# KiCad board chastity.kicad_pcb (continued)
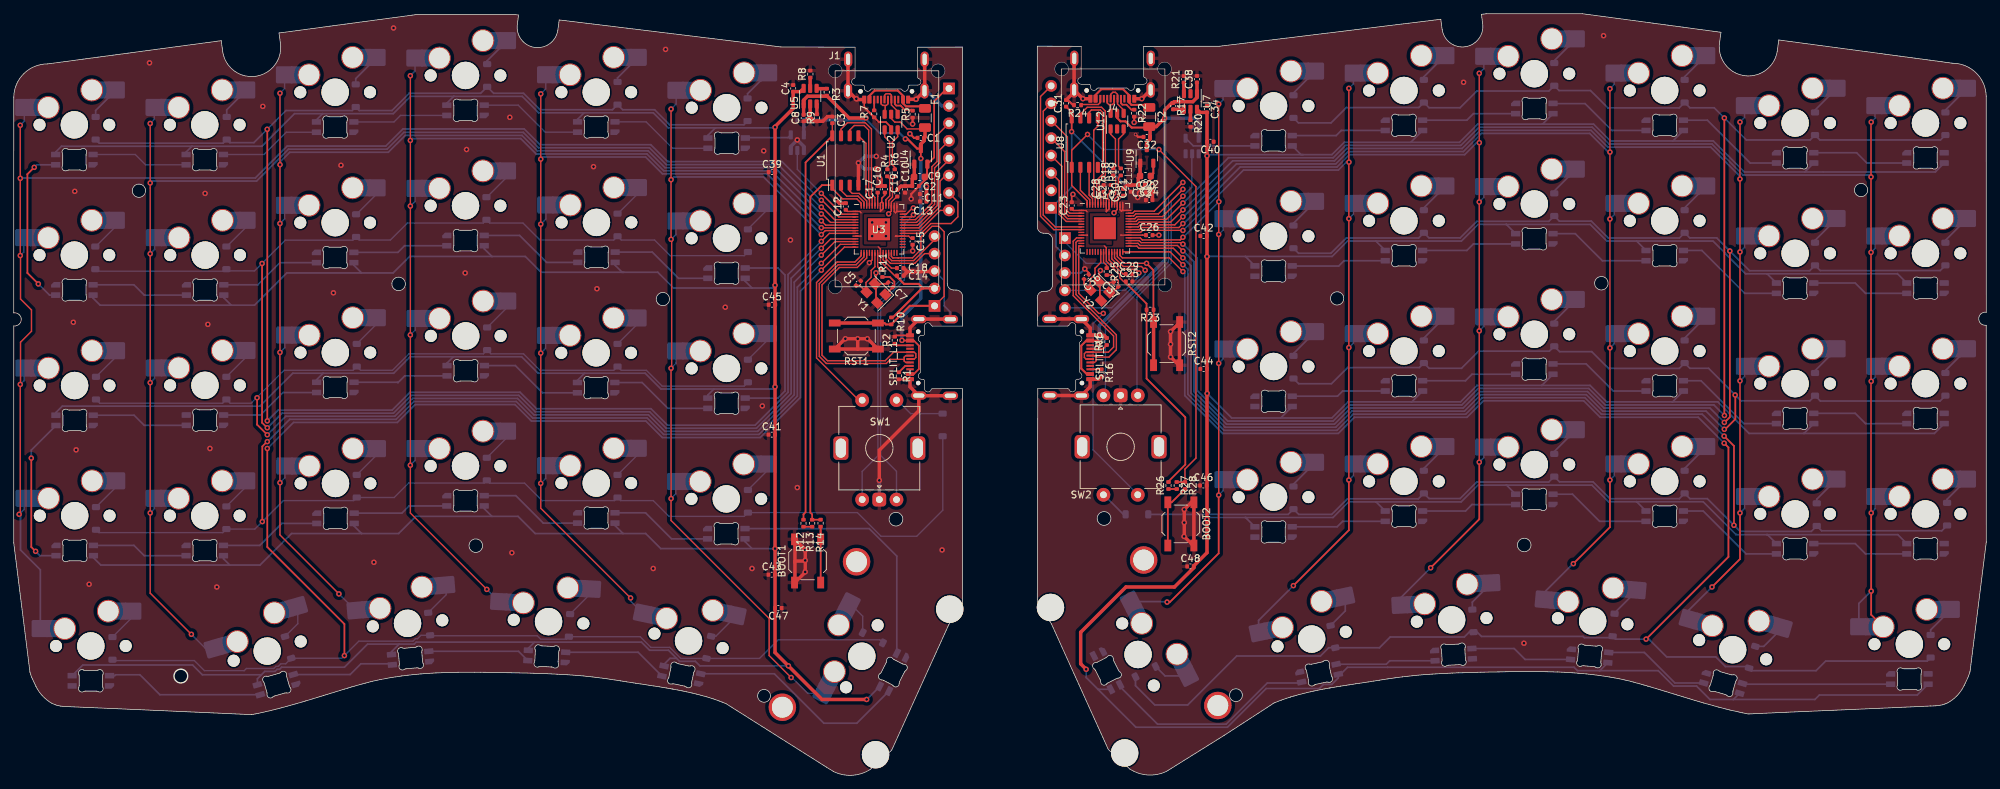
[diagram p0: board, top side]
## Nets
+1V1: C17.1 C18.1 C19.1 C28.1 C29.1 C30.1 U3.23 U3.45 U3.50 U10.23 U10.45 U10.50
+3V3: C2.1 C3.1 C9.1 C10.1 C11.1 C12.1 C13.1 C14.1 C15.1 C16.1 C20.1 C21.1 C22.1 C23.1 C24.1 C25.1 C26.1 C27.1 C31.1 C33.1 J2.2 J3.1 J5.2 J6.1 R10.2 R12.2 R23.2 R26.2 U1.8 U3.1 U3.10 U3.22 U3.33 U3.42 U3.43 U3.44 U3.48 U3.49 U4.2 U8.8 U9.2 U10.1 U10.10 U10.22 U10.33 U10.42 U10.43 U10.44 U10.48 U10.49
GND: BOOT1.1 BOOT2.1 C1.2 C2.2 C3.2 C4.1 C5.1 C6.1 C7.2 C8.2 C9.2 C10.2 C11.2 C12.2 C13.2 C14.2 C15.2 C16.2 C17.2 C18.2 C19.2 C20.2 C21.2 C22.2 C23.2 C24.2 C25.2 C26.2 C27.2 C28.2 C29.2 C30.2 C31.2 C32.2 C33.2 C34.1 C35.1 C36.1 C37.2 C38.2 C39.1 C40.1 C41.1 C42.1 C43.1 C44.1 C45.1 C46.1 C47.1 C48.1 J1.A1 J1.A12 J1.B1 J1.B12 J1.S1 J2.3 J3.2 J4.A1 J4.A12 J4.B1 J4.B12 J4.S1 J5.3 J6.2 LED1.4 LED2.4 LED3.4 LED4.4 LED5.4 LED6.4 LED7.4 LED8.4 LED9.4 LED10.4 LED11.4 LED12.4 LED13.4 LED14.4 LED15.4 LED16.4 LED17.4 LED18.4 LED19.4 LED20.4 LED21.4 LED22.4 LED23.4 LED24.4 LED25.4 LED26.4 LED27.4 LED28.4 LED29.4 LED30.4 LED31.4 LED32.4 LED33.4 LED34.4 LED35.4 LED36.4 LED37.4 LED38.4 LED39.4 LED40.4 LED41.4 LED42.4 LED43.4 LED44.4 LED45.4 LED46.4 LED47.4 LED48.4 LED49.4 LED50.4 LED51.4 LED52.4 LED53.4 LED54.4 LED55.4 LED56.4 LED57.4 LED58.4 LED59.4 LED60.4 R1.2 R2.2 R5.2 R7.2 R8.2 R9.2 R15.2 R16.2 R20.2 R21.2 R22.2 R24.2 RST1.2 RST2.1 SPLIT_L1.A1 SPLIT_L1.A12 SPLIT_L1.B1 SPLIT_L1.B12 SPLIT_L1.S1 SPLIT_R1.A1 SPLIT_R1.A12 SPLIT_R1.B1 SPLIT_R1.B12 SPLIT_R1.S1 SW1.C SW2.C U1.4 U2.2 U3.19 U3.57 U4.1 U5.2 U6.1 U6.3 U7.2 U8.4 U9.1 U10.19 U10.57 U11.1 U11.3 U12.2 Y1.2 Y1.4 Y2.2 Y2.4
VBUS: F1.1 F2.1 J1.A4 J1.A9 J1.B4 J1.B9 J4.A4 J4.A9 J4.B4 J4.B9
bl: J6.8 U10.8
bl_L: J3.8 U3.35
clk: J6.4 U10.4
clk_L: J3.4 U3.38
col 0: SW2.S2 U10.14
col 0_L: SW1.S2 U3.15
col 1: MX31.1 MX37.1 MX43.1 MX49.1 MX55.1 U10.32
col 1_L: MX6.1 MX12.1 MX18.1 MX24.1 MX30.1 U3.8
col 2: MX32.1 MX38.1 MX44.1 MX50.1 MX56.1 U10.34
col 2_L: MX5.1 MX11.1 MX17.1 MX23.1 MX29.1 U3.7
col 3: MX33.1 MX39.1 MX45.1 MX51.1 MX57.1 U10.35
col 3_L: MX4.1 MX10.1 MX16.1 MX22.1 MX28.1 U3.6
col 4: MX34.1 MX40.1 MX46.1 MX52.1 MX58.1 U10.36
col 4_L: MX3.1 MX9.1 MX15.1 MX21.1 MX27.1 U3.5
col 5: MX35.1 MX41.1 MX47.1 MX53.1 MX59.1 U10.37
col 5_L: MX2.1 MX8.1 MX14.1 MX20.1 MX26.1 U3.4
col 6: MX36.1 MX42.1 MX48.1 MX54.1 MX60.1 U10.38
col 6_L: MX1.1 MX7.1 MX13.1 MX19.1 MX25.1 U3.3
cs: J6.5 U10.3
cs_L: J3.5 U3.37
CURR_LIM: R20.1 U7.5
CURR_LIM_L: R8.1 U5.5
D+: R18.2 U12.1
D-: R19.2 U12.3
D_Split_L+: SPLIT_L1.A6 SPLIT_L1.B6 U3.17
D_Split_L-: SPLIT_L1.A7 SPLIT_L1.B7 U3.16
D_Split_R+: SPLIT_R1.A6 SPLIT_R1.B6 U10.12
D_Split_R-: SPLIT_R1.A7 SPLIT_R1.B7 U10.11
D_USB+: J4.A6 J4.B6 U12.6
D_USB-: J4.A7 J4.B7 U12.4
dc: J6.6 U10.2
dc_L: J3.6 U3.36
DIN: J6.3 U10.5
DIN_L: J3.3 U3.39
DL+: R4.2 U2.1
DL-: R6.2 U2.3
DL_USB+: J1.A6 J1.B6 U2.6
DL_USB-: J1.A7 J1.B7 U2.4
LED_Data_3V3: U10.39 U11.2
LED_Data_3V3_L: U3.2 U6.2
LED_Data_5V: LED31.3 U11.4
LED_Data_5V_L: LED6.3 U6.4
LED_Pow_5V: C34.2 C40.2 C42.2 C44.2 C46.2 C48.2 LED31.1 LED32.1 LED33.1 LED34.1 LED35.1 LED36.1 LED37.1 LED38.1 LED39.1 LED40.1 LED41.1 LED42.1 LED43.1 LED44.1 LED45.1 LED46.1 LED47.1 LED48.1 LED49.1 LED50.1 LED51.1 LED52.1 LED53.1 LED54.1 LED55.1 LED56.1 LED57.1 LED58.1 LED59.1 LED60.1 U7.6
LED_Pow_5V_L: C4.2 C39.2 C41.2 C43.2 C45.2 C47.2 LED1.1 LED2.1 LED3.1 LED4.1 LED5.1 LED6.1 LED7.1 LED8.1 LED9.1 LED10.1 LED11.1 LED12.1 LED13.1 LED14.1 LED15.1 LED16.1 LED17.1 LED18.1 LED19.1 LED20.1 LED21.1 LED22.1 LED23.1 LED24.1 LED25.1 LED26.1 LED27.1 LED28.1 LED29.1 LED30.1 U5.6
Q_CLK: U8.6 U10.52
Q_CLK_L: U1.6 U3.52
Q_IO0: U8.5 U10.53
Q_IO0_L: U1.5 U3.53
Q_IO1: U8.2 U10.55
Q_IO1_L: U1.2 U3.55
Q_IO2: U8.3 U10.54
Q_IO2_L: U1.3 U3.54
Q_IO3: U8.7 U10.51
Q_IO3_L: U1.7 U3.51
Q_SEL: R27.1 R28.1 U8.1 U10.56
Q_SEL_L: R13.1 R14.1 U1.1 U3.56
RESET: J5.1 R23.1 RST2.2 U10.26
RESET_L: J2.1 R10.1 RST1.1 U3.26
rot A: SW2.A U10.40
rot A_L: SW1.A U3.41
rot B: SW2.B U10.41
rot B_L: SW1.B U3.40
row 0: D31.1 D32.1 D33.1 D34.1 D35.1 D36.1 U10.31
row 0_L: D1.1 D2.1 D3.1 D4.1 D5.1 D6.1 U3.9
row 1: D37.1 D38.1 D39.1 D40.1 D41.1 D42.1 U10.30
row 1_L: D7.1 D8.1 D9.1 D10.1 D11.1 D12.1 U3.11
row 2: D43.1 D44.1 D45.1 D46.1 D47.1 D48.1 U10.29
row 2_L: D13.1 D14.1 D15.1 D16.1 D17.1 D18.1 U3.12
row 3: D49.1 D50.1 D51.1 D52.1 D53.1 D54.1 D62.1 U10.28
row 3_L: D19.1 D20.1 D21.1 D22.1 D23.1 D24.1 D61.1 U3.13
row 4: D55.1 D56.1 D57.1 D58.1 D59.1 D60.1 U10.27
row 4_L: D25.1 D26.1 D27.1 D28.1 D29.1 D30.1 U3.14
rst: J6.7 U10.7
rst_L: J3.7 U3.34
SK6803_EN: R21.1 U7.3
SK6803_EN_L: R9.1 U5.3
SK6803_NFAULT: R17.2 U7.4
SK6803_NFAULT_L: R3.1 U5.4
Split_5v5_L: C1.1 C6.2 C8.1 C32.1 C35.2 C38.1 F1.2 F2.2 R3.2 R17.1 SPLIT_L1.A4 SPLIT_L1.A9 SPLIT_L1.B4 SPLIT_L1.B9 SPLIT_R1.A4 SPLIT_R1.A9 SPLIT_R1.B4 SPLIT_R1.B9 U2.5 U4.3 U5.1 U6.5 U7.1 U9.3 U11.5 U12.5
SWC: J5.4 U10.24
SWC_L: J2.4 U3.24
SWD: J5.5 U10.25
SWD_L: J2.5 U3.25
XIN: C36.2 U10.20 Y2.3
XIN_L: C5.2 U3.20 Y1.3
XOUT: R25.1 U10.21
XOUT_L: R11.1 U3.21
Net-(BOOT1-Pad2): BOOT1.2 R14.2
Net-(BOOT2-Pad2): BOOT2.2 R28.2
Net-(C7-Pad1): C7.1 R11.2 Y1.1
Net-(C37-Pad1): C37.1 R25.2 Y2.1
Net-(D1-A): D1.2 MX1.2
Net-(D2-A): D2.2 MX2.2
Net-(D3-A): D3.2 MX3.2
Net-(D4-A): D4.2 MX4.2
Net-(D5-A): D5.2 MX5.2
Net-(D6-A): D6.2 MX6.2
Net-(D7-A): D7.2 MX7.2
Net-(D8-A): D8.2 MX8.2
Net-(D9-A): D9.2 MX9.2
Net-(D10-A): D10.2 MX10.2
Net-(D11-A): D11.2 MX11.2
Net-(D12-A): D12.2 MX12.2
Net-(D13-A): D13.2 MX13.2
Net-(D14-A): D14.2 MX14.2
Net-(D15-A): D15.2 MX15.2
Net-(D16-A): D16.2 MX16.2
Net-(D17-A): D17.2 MX17.2
Net-(D18-A): D18.2 MX18.2
Net-(D19-A): D19.2 MX19.2
Net-(D20-A): D20.2 MX20.2
Net-(D21-A): D21.2 MX21.2
Net-(D22-A): D22.2 MX22.2
Net-(D23-A): D23.2 MX23.2
Net-(D24-A): D24.2 MX24.2
Net-(D25-A): D25.2 MX25.2
Net-(D26-A): D26.2 MX26.2
Net-(D27-A): D27.2 MX27.2
Net-(D28-A): D28.2 MX28.2
Net-(D29-A): D29.2 MX29.2
Net-(D30-A): D30.2 MX30.2
Net-(D31-A): D31.2 MX31.2
Net-(D32-A): D32.2 MX32.2
Net-(D33-A): D33.2 MX33.2
Net-(D34-A): D34.2 MX34.2
Net-(D35-A): D35.2 MX35.2
Net-(D36-A): D36.2 MX36.2
Net-(D37-A): D37.2 MX37.2
Net-(D38-A): D38.2 MX38.2
Net-(D39-A): D39.2 MX39.2
Net-(D40-A): D40.2 MX40.2
Net-(D41-A): D41.2 MX41.2
Net-(D42-A): D42.2 MX42.2
Net-(D43-A): D43.2 MX43.2
Net-(D44-A): D44.2 MX44.2
Net-(D45-A): D45.2 MX45.2
Net-(D46-A): D46.2 MX46.2
Net-(D47-A): D47.2 MX47.2
Net-(D48-A): D48.2 MX48.2
Net-(D49-A): D49.2 MX49.2
Net-(D50-A): D50.2 MX50.2
Net-(D51-A): D51.2 MX51.2
Net-(D52-A): D52.2 MX52.2
Net-(D53-A): D53.2 MX53.2
Net-(D54-A): D54.2 MX54.2
Net-(D55-A): D55.2 MX55.2
Net-(D56-A): D56.2 MX56.2
Net-(D57-A): D57.2 MX57.2
Net-(D58-A): D58.2 MX58.2
Net-(D59-A): D59.2 MX59.2
Net-(D60-A): D60.2 MX60.2
Net-(D61-A): D61.2 SW1.S1
Net-(D62-A): D62.2 SW2.S1
Net-(J1-CC1): J1.A5 R5.1
Net-(J1-CC2): J1.B5 R7.1
Net-(J4-CC1): J4.A5 R22.1
Net-(J4-CC2): J4.B5 R24.1
Net-(LED1-DIN): LED1.3 LED2.2
Net-(LED1-DOUT): LED1.2 LED7.3
Net-(LED2-DIN): LED2.3 LED3.2
Net-(LED3-DIN): LED3.3 LED4.2
Net-(LED4-DIN): LED4.3 LED5.2
Net-(LED5-DIN): LED5.3 LED6.2
Net-(LED7-DOUT): LED7.2 LED8.3
Net-(LED8-DOUT): LED8.2 LED9.3
Net-(LED10-DIN): LED9.2 LED10.3
Net-(LED10-DOUT): LED10.2 LED11.3
Net-(LED11-DOUT): LED11.2 LED12.3
Net-(LED12-DOUT): LED12.2 LED18.3
Net-(LED13-DIN): LED13.3 LED14.2
Net-(LED13-DOUT): LED13.2 LED19.3
Net-(LED14-DIN): LED14.3 LED15.2
Net-(LED15-DIN): LED15.3 LED16.2
Net-(LED16-DIN): LED16.3 LED17.2
Net-(LED17-DIN): LED17.3 LED18.2
Net-(LED19-DOUT): LED19.2 LED20.3
Net-(LED20-DOUT): LED20.2 LED21.3
Net-(LED21-DOUT): LED21.2 LED22.3
Net-(LED22-DOUT): LED22.2 LED23.3
Net-(LED23-DOUT): LED23.2 LED24.3
Net-(LED24-DOUT): LED24.2 LED30.3
Net-(LED25-DIN): LED25.3 LED26.2
Net-(LED26-DIN): LED26.3 LED27.2
Net-(LED27-DIN): LED27.3 LED28.2
Net-(LED28-DIN): LED28.3 LED29.2
Net-(LED29-DIN): LED29.3 LED30.2
Net-(LED31-DOUT): LED31.2 LED32.3
Net-(LED32-DOUT): LED32.2 LED33.3
Net-(LED33-DOUT): LED33.2 LED34.3
Net-(LED34-DOUT): LED34.2 LED35.3
Net-(LED35-DOUT): LED35.2 LED36.3
Net-(LED36-DOUT): LED36.2 LED42.3
Net-(LED37-DIN): LED37.3 LED38.2
Net-(LED37-DOUT): LED37.2 LED43.3
Net-(LED38-DIN): LED38.3 LED39.2
Net-(LED39-DIN): LED39.3 LED40.2
Net-(LED40-DIN): LED40.3 LED41.2
Net-(LED41-DIN): LED41.3 LED42.2
Net-(LED43-DOUT): LED43.2 LED44.3
Net-(LED44-DOUT): LED44.2 LED45.3
Net-(LED45-DOUT): LED45.2 LED46.3
Net-(LED46-DOUT): LED46.2 LED47.3
Net-(LED47-DOUT): LED47.2 LED48.3
Net-(LED48-DOUT): LED48.2 LED54.3
Net-(LED49-DIN): LED49.3 LED50.2
Net-(LED49-DOUT): LED49.2 LED55.3
Net-(LED50-DIN): LED50.3 LED51.2
Net-(LED51-DIN): LED51.3 LED52.2
Net-(LED52-DIN): LED52.3 LED53.2
Net-(LED53-DIN): LED53.3 LED54.2
Net-(LED55-DOUT): LED55.2 LED56.3
Net-(LED56-DOUT): LED56.2 LED57.3
Net-(LED57-DOUT): LED57.2 LED58.3
Net-(LED58-DOUT): LED58.2 LED59.3
Net-(LED59-DOUT): LED59.2 LED60.3
Net-(R12-Pad1): R12.1 R13.2
Net-(R26-Pad1): R26.1 R27.2
Net-(SPLIT_L1-CC1): R1.1 SPLIT_L1.A5
Net-(SPLIT_L1-CC2): R2.1 SPLIT_L1.B5
Net-(SPLIT_R1-CC1): R15.1 SPLIT_R1.A5
Net-(SPLIT_R1-CC2): R16.1 SPLIT_R1.B5
Net-(U3-USB_DM): R6.1 U3.46
Net-(U3-USB_DP): R4.1 U3.47
Net-(U10-USB_DM): R19.1 U10.46
Net-(U10-USB_DP): R18.1 U10.47

Pads without a net: J1 A8 B8; J4 A8 B8; LED25 2; LED60 2; SPLIT_L1 A8 B8; SPLIT_R1 A8 B8; SW1 MP; SW2 MP; U3 18 27 28 29 30 31 32; U10 6 9 13 15 16 17 18

## Via types
v1: diameter 0.8, hole 0.4, Top to Bottom, 224 vias
v2: diameter 0.5, hole 0.3, Top to Bottom, 1 via

## Routing (per net, layer and track width the routed paths; a pad name or vN(x,y) marks a point on that pad's centre or on a via; arc(x,y) is an arc through that point)
+1V1: length 18.6
  Top w0.2: v1(127.49,81.89) 127.9,82.3 U3.45 ; U10.23 159.61,75.15 161.65,73.11 C29.1 ; U3.45 127.9,83.61 128.7,84.41 C19.1 ; U3.45 127.9,82.44 ; U10.50 158.81,85.11 C28.1 ; C17.1 125.9,84.44 125.9,84.44 U3.50 ; C30.1 161.61,84.55 160.81,83.75 U10.45 160.81,82.52 v1(160.34,82.04) ; U3.23 126.7,75.17 127.89,73.97 C18.1
+3V3: length 209.1
  Top w0.2: C15.1 130.71,78.35 130.42,78.64 U3.33 128.5,78.64 128.5,78.64 128.7,78.64 ; 161.34,78.78 U10.33 164.52,78.78 164.52,78.78 C26.1 ; 128.7,82.24 128.7,82.24 U3.42 ; 128.7,82.24 128.5,82.04 128.3,82.24 U3.44 ; 128.7,82.24 U3.43 ; 125.99,77.07 126.3,76.76 U3.22 126.3,74.96 128.39,72.87 C14.1 ; 126.5,83.64 126.7,83.44 U3.48 126.7,82.64 126.3,82.24 U3.49 126.3,83.44 126.5,83.64 ; 126.5,83.64 126.5,84.18 126.96,84.63 C16.1 ; 158.94,77.21 159.21,76.94 U10.22 159.21,74.98 161.19,73 161.19,72.55 161.73,72.02 C25.1 ; 159.41,84.14 159.61,83.93 U10.48 159.61,82.6 159.21,82.2 U10.49 159.21,83.94 159.41,84.14 ; 159.41,84.14 159.41,84.65 C27.1 ; 161.42,82.28 161.61,82.47 U10.43 ; 161.42,82.28 161.21,82.48 U10.44 ; 161.42,82.28 161.52,82.38 U10.42 ; 156.43,82.2 156.24,82.38 U10.1 154.41,82.38 C23.1 ; U1.8 119.29,93.28 C3.1 ; 156.46,78.78 156.46,78.78 U10.10 ; U3.10 123.49,78.64 ; C12.1 121.49,82.24 U3.1 123.29,82.24 123.5,82.04
  Top w0.25: C31.1 154.17,96.71 U8.8 154.17,93.9 v1(154.16,93.88) ; C20.1 165.69,86.94 C33.1 164.83,86.07 163.78,85.03 v1(163.78,84.27) ; U1.8 115.39,89.37 115.39,38.37 115.09,38.07 R12.2 ; U4.2 134.12,90.12 134.12,98.3 135.59,99.77 ; C25.1 162.06,71.8 162.42,71.43 162.43,71.43 165.08,68.78 R23.2 165.08,67.89 165.08,57.87 170.73,52.22 170.73,45.32 168.28,42.87 R26.2
  Top w0.3: 132.53,71.01 132.33,71.01 128.1,66.78 R10.2 ; 132.53,71.01 J2.2 ; 132.53,71.01 131.87,71.67 129.74,71.67 128.77,72.63 128.77,72.8 C14.1 ; U9.2 166.06,87.78 C20.1 ; v1(130.79,84.07) 130.79,84.79 131.9,85.9 C2.1 132.76,86.81 C9.1 133.09,87.59 133.09,89.08 U4.2
  Bottom w0.25: J5.2 151.88,77.11 151.88,82.07 J6.1 154.16,85.75 v1(154.16,93.88) 154.17,93.88 v1(163.78,84.27)
GND: length 249.6
  Top w0.2: v1(131,76.48) 130.99,76.49 C15.2 ; v1(124.69,74.77) 125.1,75.18 U3.19 ; R7.2 123.95,97.4 J1.A12 123.83,98.67 v1(122.79,98.67) ; v1(166.88,78.78) C26.2 ; 131.24,87.29 C9.2
  Top w0.25: Y2.4 158.28,69.4 158.28,71.82 158.3,71.84 ; R7.2 126.08,95.27 127.11,95.27 127.86,94.51 U2.2 ; SPLIT_L1.A12 130.61,64.16 128.58,64.16 R2.2 ; R1.2 128.99,57.76 SPLIT_L1.A1 ; Y1.4 125.65,69.08 125.65,71.49 Y1.2 ; C36.1 156.65,73.29 v1(156.08,73.87) ; C23.2 154.17,84.55 v1(154.35,84.73) ; C37.2 160.21,71.87 158.19,71.87 158.19,73.45 v1(158.36,73.62) ; C7.2 127.23,71.69 125.5,71.69 125.65,71.84 v1(125.65,73.29)
  Top w0.3: J1.S1 132.72,104.41 J1.S1 ; 122.99,98.47 v1(122.79,98.67) ; v1(131.49,98.6) 131.44,98.55 J1.A1 ; C31.2 153.62,98.48 154.36,97.74 R24.2 ; v1(163.28,95.22) R22.2 ; v2(163.48,93.47) 163.85,93.1 C32.2 ; v1(130.59,93.57) 131.2,92.96 C1.2 ; 124,97.35 R7.2 ; v1(130.99,94.98) 130.99,95.92
  Top w0.5: C30.2 162.23,86.06 C21.2 162.84,86.08 C33.2 163.87,87.13 C20.2 164.14,89.24 U9.1 ; 113.84,31.24 115.24,31.24 v1(115.34,31.34) ; 117.07,95.36 R9.2 117.91,95.39 118.59,96.07 C3.2 ; R16.2 158.07,57.76 SPLIT_R1.A12 156.87,56.67 SPLIT_R1.S1 151.01,55.39 SPLIT_R1.S1 ; 122.99,62.17 RST1.2 121.14,63.67 v1(121.19,63.67) v1(122.99,63.67) ; 122.99,62.17 RST1.2 124.44,63.67 v1(124.39,63.67) v1(122.99,63.67) ; 122.99,62.17 v1(122.99,63.67) ; J2.3 134.11,73.47 v1(130.99,73.47) 130.17,73.47 ; v1(165.95,85.94) 165.93,85.91 C22.2 165.94,85 C24.2 ; J4.S1 v1(164.38,98.67) 164.39,98.68 J4.A1 ; J4.S1 154.52,104.54 J4.S1 ; J4.S1 154.52,99.65 C31.2 ; J4.S1 v1(155.8,98.68) J4.A12 ; 130.17,73.47 C18.2 ; 130.17,73.47 130.17,73.37 C14.2 ; 116.04,96.02 115.4,95.38 C8.2 ; 116.04,96.02 116.7,95.36 ; 116.04,96.02 116.06,96.04 U5.2 ; C9.2 130.94,87 C2.2 129.92,85.95 C10.2 129.3,85.92 C19.2 ; 130.61,64.25 SPLIT_L1.A12 130.61,65.26 SPLIT_L1.S1 136.47,66.54 ; 131.24,87.29 U4.1 ; J1.S1 121.57,104.41 J1.S1 122.73,98.67 v1(122.79,98.67) 122.91,98.55 J1.A12 ; 115.34,29.62 113.84,28.12 113.84,34.42 115.34,32.92 ; J1.S1 132.74,99.85 J1.S1 v1(131.49,98.6) 130.39,98.6 J1.A1 ; R15.2 158.89,64.16 SPLIT_R1.A1 156.87,65.26 SPLIT_R1.S1 155.57,66.56 SPLIT_R1.S1 ; C12.2 120.32,83.44 v1(119.77,83.99) ; SPLIT_L1.S1 130.61,56.67 SPLIT_L1.A1 ; SPLIT_L1.S1 131.91,55.37 SPLIT_L1.S1 ; SPLIT_L1.S1 131.89,53.17 126.14,47.42 v1(126.14,43.02) ; v1(133.01,85.88) C13.2 ; C17.2 126.39,85.95 ; 126.39,85.95 C16.2 ; 126.39,85.95 126.39,86.87 v1(126.19,87.07) ; v1(115.34,31.34) v1(115.34,32.87) ; v1(115.34,31.34) v1(115.34,29.67) ; v1(123.09,89.32) U1.4 ; v1(170.58,36.87) 170.58,34.87 v1(170.55,34.84) 171.87,33.52 BOOT2.1 BOOT2.1 171.62,39.82 v1(170.58,38.78) v1(170.58,36.87) ; v1(168.58,64.72) 169.88,66.02 169.88,59.72 v1(168.58,61.02) v1(168.58,62.87) v1(168.58,64.72)
  Bottom w0.25: J2.3 135.59,72.15 135.59,68.47 136.49,67.57 SPLIT_L1.S1
  Bottom w0.3: J1.S1 122.73,98.67 v1(122.79,98.67) ; J5.3 155.48,73.27 v1(156.08,73.87)
  Bottom w0.5: SW1.C v1(126.14,43.02) ; v1(125.69,88.47) 123.89,88.47 123.09,89.26 v1(123.09,89.32) 124.04,90.27 v1(125.69,90.27) ; 134.07,73.43 J2.3 ; U6.3 113.24,91.72 v1(114.19,92.67) 115.14,91.72 U6.1 ; SPLIT_L1.S1 131.91,66.52 SPLIT_L1.S1 ; J1.S1 133.03,99.83 135.23,97.63 J3.2
  vias: v1(8.69,66.07) v1(8.89,85.17) v1(9.09,47.47) v1(10.99,27.87) v1(19.79,103.91) v1(27.89,84.87) v1(28.29,65.77) v1(28.59,47.67) v1(29.59,27.47) v1(36.3,97.56) v1(46.59,70.37) v1(47.69,88.97) v1(52.49,31.07) v1(55.35,108.99) v1(65.79,73.27) v1(65.99,91.27) v1(72.29,95.97) v1(72.59,32.47) v1(84.49,88.77) v1(84.99,70.97) v1(93.19,30.17) v1(94.99,105.87) v1(103.69,68.27) v1(107.59,30.17) v1(109.09,53.87) v1(109.29,91.07) v1(113.19,78.07) v1(114.19,41.97) v1(125.1,80.64) v1(125.1,78.64) v1(126.1,79.64) v1(127.1,80.64) v1(127.1,78.64) v1(135.29,32.87) v1(211.28,101.07) v1(220.08,19.27) v1(231.68,107.87)
VBUS: length 21.1
  Top w0.3: J4.A9 157.65,99.23 158.49,100.07 161.65,100.07 162.55,99.17 J4.A4 162.55,98.11 162.88,97.78 165.1,97.78 F2.1 ; F1.1 132.5,97.56 130.02,97.56 129.6,97.98 J1.A4 129.6,99.1 128.83,99.87 125.46,99.87 124.7,99.1 J1.A9
bl: length 26.4
  Top w0.2: U10.8 151.56,79.58 149.63,81.52 149.63,99 J6.8
bl_L: length 8
  Top w0.2: J3.8 135.01,82.39 132.06,79.44 U3.35
clk: length 12.2
  Top w0.2: J6.4 152.75,88.82 152.75,81.98 153.54,81.18 U10.4
clk_L: length 15.9
  Top w0.2: U3.38 131.56,80.64 134.19,83.27 134.19,88.58 134.95,89.35 134.95,91.21 J3.4
col 0: length 41.8
  Top w0.2: v1(158.78,67.37) 158.11,67.37 155.19,70.29 155.19,77.18 U10.14
  Bottom w0.2: SW2.S2 163.8,40.96 157.28,47.49 157.28,65.87 v1(158.78,67.37)
col 0_L: length 28.7
  Top w0.2: SW1.S2 123.14,54.72 116.99,60.87 116.99,71.87 119.99,74.87 122.59,74.87 123.5,75.78 U3.15
col 1: length 106.9
  Top w0.2: v1(175.59,40.87) v1(175.59,60.08) v1(175.59,78.88) 175.59,83.63 v1(175.62,83.66) 175.59,83.69 v1(175.59,97.88) ; U10.32 164.16,78.38 164.46,78.08 167.17,78.08 167.17,78.08 169.99,78.08 v1(170.38,78.47)
  Top w0.25: v1(175.59,40.87) 175.59,32.38 168.48,25.27 v1(168.08,25.27)
  Bottom w0.2: v1(175.59,78.88) 176.23,79.52 MX37.1 ; v1(175.59,60.08) 176.23,60.72 MX43.1 ; MX49.1 176.23,41.5 v1(175.59,40.87) ; v1(175.59,97.88) 176.23,98.52 MX31.1
  Bottom w0.25: v1(170.38,78.47) 170.43,78.47 v1(175.62,83.66) ; v1(168.08,25.27) 168.01,25.34 MX55.1
col 1_L: length 138.8
  Top w0.2: U3.8 118.26,79.44 v1(117.69,78.87) ; 95.7,59.28 v1(95.79,59.37) v1(95.79,40.37) 95.79,37.17 110.09,22.87 110.09,17.47 v1(113.29,14.27) ; 95.7,78.08 95.79,77.99 ; 95.88,78.08 95.88,59.46 ; v1(95.79,97.17) v1(95.79,78.17)
  Bottom w0.2: 95.7,78.08 96.51,78.89 MX12.1 ; MX18.1 96.51,60.09 95.7,59.28 ; v1(113.29,14.27) 113.39,14.27 115.69,11.96 MX30.1 ; MX24.1 96.48,41.06 95.7,40.28 ; 95.7,97.08 96.53,97.91 MX6.1
  Bottom w0.25: v1(95.79,86.87) 96.19,87.27 109.26,87.27 117.66,78.87 v1(117.69,78.87)
col 2: length 131.1
  Top w0.2: U10.34 164.21,79.18 164.51,79.48 170.36,79.48 v1(170.38,79.47) ; v1(194.56,100.18) 194.56,89.44 v1(194.57,89.43) 194.56,89.42 v1(194.56,81.18) v1(194.56,62.38) v1(194.56,43.07)
  Top w0.25: v1(194.56,43.07) 194.56,35.75 v1(186.48,27.67)
  Bottom w0.2: v1(194.56,100.18) 195.23,100.85 MX32.1 ; MX44.1 195.23,63.05 v1(194.56,62.38) ; MX38.1 195.23,81.85 v1(194.56,81.18) ; MX50.1 195.23,43.73 v1(194.56,43.07)
  Bottom w0.25: v1(170.38,79.47) 170.4,79.47 179.2,88.27 193.02,88.27 194.19,89.43 v1(194.57,89.43) ; MX56.1 181.41,22.6 v1(186.48,27.67)
col 2_L: length 144.1
  Top w0.2: v1(76.8,99.38) v1(76.8,80.38) v1(76.8,61.58) v1(76.8,42.58) 76.8,38.96 v1(89.89,25.87) ; U3.7 117.72,79.84 v1(117.69,79.87)
  Bottom w0.2: v1(76.8,61.58) 77.51,62.29 MX17.1 ; v1(76.8,80.38) 77.56,81.14 MX11.1 ; v1(89.89,25.87) 89.89,25.41 MX29.1 ; MX23.1 77.53,43.31 v1(76.8,42.58) ; v1(76.8,99.38) 77.53,100.11 MX5.1
  Bottom w0.25: v1(117.69,79.87) 117.64,79.87 109.79,87.72 94.54,87.72 92.09,90.17 77.1,90.17 v1(76.8,89.87)
col 3: length 148.8
  Top w0.2: U10.35 164.04,79.58 164.34,79.88 169.79,79.88 v1(170.38,80.47) ; v1(213.56,102.38) 213.56,92.28 v1(213.58,92.27) 213.56,92.25 v1(213.56,83.62) v1(213.56,64.82) v1(213.56,45.67)
  Top w0.25: v1(206.48,30.27) 213.56,37.35 v1(213.56,45.67)
  Bottom w0.2: MX45.1 214.23,65.49 v1(213.56,64.82) ; v1(213.56,45.67) 214.23,46.33 MX51.1 ; MX39.1 214.23,84.29 v1(213.56,83.62) ; v1(213.56,102.38) 214.23,103.05 MX33.1
  Bottom w0.25: v1(170.38,80.47) 170.48,80.47 178.73,88.72 192.84,88.72 194.64,90.52 211.44,90.52 213.19,92.27 v1(213.58,92.27) ; v1(206.48,30.27) 202.06,25.85 MX57.1
col 3_L: length 163.4
  Top w0.2: v1(68.94,27.12) 68.94,27.12 57.8,38.26 v1(57.8,45.23) v1(57.8,64.23) v1(57.8,83.03) v1(57.8,102.03) ; v1(117.69,80.87) 118.32,80.24 U3.6
  Bottom w0.2: v1(57.8,45.23) 58.48,45.91 MX22.1 ; MX4.1 58.48,102.71 v1(57.8,102.03) ; v1(57.8,64.23) 58.51,64.94 MX16.1 ; MX10.1 58.48,83.71 v1(57.8,83.03) ; v1(68.94,27.12) MX28.1
  Bottom w0.25: v1(117.69,80.87) 117.66,80.87 110.36,88.17 94.72,88.17 92.27,90.62 76.13,90.62 73.88,92.87 58.07,92.87 v1(57.8,92.59)
col 4: length 165.5
  Top w0.2: v1(232.61,43.07) v1(232.61,62.33) v1(232.61,81.13) v1(232.61,90.89) v1(232.61,100.13) ; U10.36 163.87,79.98 164.17,80.28 169.19,80.28 v1(170.38,81.47)
  Top w0.25: v1(232.61,43.07) 232.61,36.2 v1(227.28,30.87)
  Bottom w0.2: MX40.1 233.23,81.76 v1(232.61,81.13) ; v1(232.61,43.07) 233.23,43.69 MX52.1 ; MX34.1 233.23,100.76 v1(232.61,100.13) ; MX46.1 233.23,62.96 v1(232.61,62.33)
  Bottom w0.25: v1(170.38,81.47) 170.48,81.47 178.18,89.17 192.65,89.17 194.45,90.97 211.25,90.97 213.9,93.62 229.65,93.62 232.38,90.89 v1(232.61,90.89) ; MX58.1 222.98,26.62 227.22,30.87 v1(227.28,30.87)
col 4_L: length 182.6
  Top w0.2: v1(47.39,26.47) 38.8,35.06 v1(38.8,42.68) 38.79,42.69 38.79,61.67 v1(38.8,61.68) v1(38.8,80.48) v1(38.8,99.48) ; U3.5 119.02,80.64 117.79,81.87 v1(117.69,81.87)
  Bottom w0.2: v1(47.39,26.47) 49.8,24.06 MX27.1 ; v1(38.8,42.68) 39.53,43.41 MX21.1 ; v1(38.8,61.68) 39.51,62.39 MX15.1 ; MX9.1 39.48,81.16 v1(38.8,80.48) ; v1(38.8,99.48) 39.48,100.16 MX3.1
  Bottom w0.25: v1(38.81,89.06) 38.81,89.45 40.22,90.87 54.59,90.87 57.04,93.32 74.07,93.32 76.31,91.07 92.46,91.07 94.91,88.62 110.91,88.62 117.66,81.87 v1(117.69,81.87)
col 5: length 183.9
  Top w0.2: v1(251.56,95.27) 251.56,86.98 v1(251.55,86.97) 251.56,86.96 v1(251.56,76.33) v1(251.56,57.53) v1(251.56,38.27) ; U10.37 163.71,80.38 164.01,80.68 168.59,80.68 v1(170.38,82.47)
  Top w0.25: v1(251.56,38.27) 251.56,31.55 v1(247.48,27.47)
  Bottom w0.2: v1(251.56,57.53) 252.23,58.2 MX47.1 ; v1(251.56,76.33) 252.23,77 MX41.1 ; v1(251.56,38.27) 252.23,38.94 MX53.1 ; MX35.1 252.23,95.94 v1(251.56,95.27)
  Bottom w0.25: v1(247.48,27.47) 244.11,24.1 MX59.1 ; v1(170.38,82.47) 170.48,82.47 177.63,89.62 192.46,89.62 194.26,91.42 211.06,91.42 213.71,94.07 229.84,94.07 232.29,91.62 247.29,91.62 251.55,87.36 v1(251.55,86.97)
col 5_L: length 202.2
  Top w0.2: v1(117.69,82.87) 117.79,82.87 119.62,81.04 U3.4 ; v1(25.89,20.57) 19.89,26.57 v1(19.89,38.27) v1(19.89,57.27) v1(19.89,76.07) v1(19.89,95.07)
  Bottom w0.2: v1(19.89,76.07) 20.53,76.71 MX8.1 ; MX26.1 27.93,18.53 v1(25.89,20.57) ; MX2.1 20.48,95.66 v1(19.89,95.07) ; v1(19.89,57.27) 20.51,57.89 MX14.1 ; v1(19.89,38.27) 20.48,38.86 MX20.1
  Bottom w0.25: v1(19.89,86.39) 20.16,86.67 35.39,86.67 40.04,91.32 54.4,91.32 56.85,93.77 74.25,93.77 76.5,91.52 92.65,91.52 95.1,89.07 111.39,89.07 117.59,82.87 v1(117.69,82.87)
col 6: length 207.5
  Top w0.2: v1(270.68,38.27) 270.65,38.29 270.65,57.44 v1(270.68,57.47) 270.65,57.49 v1(270.65,76.27) v1(270.65,87.27) 270.65,95.24 v1(270.68,95.27) ; v1(170.38,83.47) 167.99,81.08 163.84,81.08 163.54,80.78 U10.38
  Top w0.25: MX60.1 270.68,23.42 v1(270.68,26.87) v1(270.68,38.27)
  Bottom w0.2: v1(270.65,76.27) 271.23,76.84 MX42.1 ; MX36.1 271.23,95.82 v1(270.68,95.27) ; v1(270.68,57.47) 271.23,58.02 MX48.1 ; v1(270.68,38.27) 271.23,38.82 MX54.1
  Bottom w0.25: MX60.1 268.88,25.07 v1(270.68,26.87) ; v1(170.38,83.47) 170.4,83.47 177.01,90.07 192.28,90.07 194.08,91.87 210.88,91.87 213.53,94.52 230.03,94.52 232.48,92.07 247.48,92.07 252,87.54 270.38,87.54 v1(270.65,87.27)
col 6_L: length 216.8
  Top w0.2: v1(0.95,94.81) v1(0.95,87.07) v1(0.95,75.81) 0.99,75.77 0.99,69.47 2.59,67.87 2.59,64.77 0.99,63.17 0.99,57.04 v1(0.95,57.01) 0.95,38.23 v1(0.79,38.07) ; v1(117.69,83.87) 117.79,83.87 120.22,81.44 U3.3
  Bottom w0.2: MX19.1 1.53,38.81 v1(0.79,38.07) ; v1(0.95,57.01) 1.51,57.56 MX13.1 ; MX7.1 1.48,76.33 v1(0.95,75.81) ; v1(0.95,94.81) 1.54,95.4 1.54,97.15
  Bottom w0.25: 1.51,40.43 MX19.1 ; v1(0.95,87.07) 1,87.12 35.2,87.12 39.85,91.77 54.22,91.77 56.72,94.27 74.39,94.27 76.69,91.97 92.83,91.97 95.28,89.52 111.94,89.52 117.59,83.87 v1(117.69,83.87) ; v1(0.79,38.07) 0.99,37.87 0.99,32.87 3.88,29.98 MX25.1 ; 1.48,59.42 MX13.1
cs: length 14.3
  Top w0.2: U10.3 153.71,81.58 153.15,82.14 153.15,90.96 J6.5
cs_L: length 13.8
  Top w0.2: U3.37 131.73,80.24 134.59,83.1 134.59,88.07 136.29,89.77 J3.5
CURR_LIM: length 1.6
  Top w0.5: U7.5 R20.1
CURR_LIM_L: length 1.6
  Top w0.5: R8.1 116.06,101.73 U5.5
D+: length 6.2
  Top w0.2: R18.2 160.55,88.83 160.55,92.8 159.84,93.51 U12.1
D-: length 6.2
  Top w0.2: R19.2 161,88.83 161,92.79 161.74,93.53 U12.3
D_Split_L+: length 35.3
  Top w0.2: U3.17 124.3,75.44 122.92,74.07 120.32,74.07 117.79,71.54 117.79,61.27 118.59,60.47 126.99,60.47 128.23,61.71 SPLIT_L1.B6 131.23,61.71 131.46,61.49 131.46,60.94 131.23,60.71 SPLIT_L1.A6
D_Split_L-: length 34.8
  Top w0.2: SPLIT_L1.B7 129.98,60.21 129.76,60.44 129.76,60.67 ; SPLIT_L1.A7 129.98,61.21 129.76,60.99 129.76,60.67 ; 129.76,60.67 127.75,60.67 127.15,60.07 118.42,60.07 117.39,61.1 117.39,71.7 120.15,74.47 122.75,74.47 123.9,75.61 U3.16
D_Split_R+: length 25.1
  Top w0.2: 157.72,60.99 157.49,61.21 SPLIT_R1.A6 ; 157.72,60.99 157.72,60.44 157.49,60.21 SPLIT_R1.B6 ; 157.72,60.99 157.56,61.15 ; 157.72,60.99 159.6,60.99 160.68,62.07 160.68,64.23 154.79,70.12 154.79,77.73 155.04,77.98 U10.12
D_Split_R-: length 25.4
  Top w0.2: SPLIT_R1.A7 156.24,60.71 156.02,60.94 156.02,61.49 156.24,61.71 SPLIT_R1.B7 159.53,61.71 160.28,62.47 160.28,64.07 154.39,69.95 154.39,77.89 154.88,78.38 U10.11
D_USB+: length 3.7
  Top w0.2: J4.A6 160.35,98.05 160.12,97.83 159.57,97.83 159.35,98.05 J4.B6 ; U12.6 159.84,96.54 159.84,97.83
D_USB-: length 5
  Top w0.2: U12.4 161.74,97.03 160.85,97.92 J4.B7 160.85,99.3 160.53,99.62 160.16,99.62 159.85,99.3 J4.A7
dc: length 16.3
  Top w0.2: J6.6 153.55,93.1 153.55,82.31 153.88,81.98 U10.2
dc_L: length 12.1
  Top w0.2: U3.36 131.89,79.84 134.99,82.94 134.99,86.67 135.79,87.47 J3.6
DIN: length 10.2
  Top w0.2: J6.3 152.35,86.68 152.35,81.81 153.38,80.78 U10.5
DIN_L: length 17.9
  Top w0.2: J3.3 134.55,93.35 134.55,89.51 133.79,88.75 133.79,83.43 132.28,81.92 132.27,81.92 131.39,81.04 U3.39
DL+: length 6.2
  Top w0.2: U2.1 126.91,93.14 127.64,92.41 127.64,89 127.3,88.66 R4.2
DL-: length 6.2
  Top w0.2: R6.2 128.39,88.67 128.04,89.02 128.04,92.36 128.81,93.14 U2.3
DL_USB+: length 3.8
  Top w0.2: J1.A6 127.4,97.93 127.17,97.7 126.62,97.7 126.4,97.93 J1.B6 ; 126.99,97.7 126.99,96.48 U2.6
DL_USB-: length 5
  Top w0.2: J1.A7 126.9,99.17 127.12,99.4 127.67,99.4 127.9,99.17 J1.B7 127.9,97.76 128.81,96.84 U2.4
LED_Data_3V3: length 16
  Top w0.2: v1(170.38,84.46) 167.39,81.48 163.68,81.48 163.38,81.18 U10.39
  Bottom w0.2: v1(170.38,84.46) 171.68,85.76 171.68,90.6 U11.2
LED_Data_3V3_L: length 13.9
  Top w0.2: U3.2 120.72,81.84 v1(117.69,84.87)
  Bottom w0.2: U6.2 114.19,88.37 v1(117.69,84.87)
LED_Data_5V: length 10.6
  Bottom w0.25: LED31.3 171.89,91.79 U11.4
LED_Data_5V_L: length 6.8
  Bottom w0.25: U6.4 112.84,93 106.67,93 LED6.3
LED_Pow_5V: length 717.2
  Top w0.5: U7.6 172.88,96.67 C34.2 v1(173.89,75.67) 173.89,32.48 171.96,30.55 C48.2 171.96,30.28 169.14,27.47 162.08,27.47 155.48,20.87 155.48,16.27 v1(156.28,15.47)
  Bottom w0.25: 222.68,56.87 213.24,56.87 210.84,54.47 203.68,54.47 ; 222.68,56.87 229.71,56.87 232.11,54.47 241.68,54.47 ; 222.68,56.87 222.69,56.87 LED45.1 ; 241.68,54.47 248.33,54.47 250.02,52.78 250.02,52.73 252.88,49.87 260.88,49.87 ; 241.68,54.47 241.74,54.47 243.31,56.04 ; 157.98,12.57 156.28,14.27 v1(156.28,15.47) ; 157.98,12.57 157.99,12.55 LED55.1 ; 157.98,12.57 163.53,7.02 176.86,7.02 182.51,12.67 190.28,12.67 190.87,13.26 192.07,13.26 193.02,14.21 LED56.1 193.14,14.87 193.48,14.87 194.37,15.76 200.2,15.76 200.21,15.76 227.38,15.76 227.88,15.27 231.08,15.27 ; 198.48,39.88 198.53,39.88 LED50.1 ; 198.48,39.88 210.93,39.88 213.37,42.32 217.48,42.32 ; 198.48,39.88 194.53,39.88 192.25,37.6 179.51,37.6 ; 255.48,35.1 274.56,35.1 LED54.1 ; 255.48,35.1 255.56,35.1 LED53.1 ; 255.48,35.1 250.99,35.1 246.19,39.9 236.48,39.9 ; 198.48,77.91 210.96,77.91 213.39,80.34 217.48,80.34 ; 198.48,77.91 198.5,77.91 LED38.1 ; 198.48,77.91 194.36,77.91 192.11,75.67 179.48,75.67 ; 179.51,37.6 LED49.1 ; 179.51,37.6 174.16,37.6 v1(173.89,37.33) ; 231.08,15.27 231.13,15.27 LED58.1 ; 231.08,15.27 239.64,15.27 241.89,13.02 245.22,13.02 247.18,11.07 250.6,11.07 ; 255.48,73.14 252.38,73.14 249.35,76.17 249.35,76.19 247.63,77.91 236.48,77.91 ; 255.48,73.14 274.47,73.14 274.49,73.16 LED42.1 ; 255.48,73.14 255.52,73.14 LED41.1 ; 184.64,52.12 177.49,52.12 v1(173.91,55.69) ; 184.64,52.12 LED43.1 ; 184.64,52.12 192.09,52.12 194.44,54.47 203.68,54.47 ; 222.77,94.97 213.34,94.97 210.69,92.32 193.89,92.32 192.09,90.52 187.88,90.52 ; 222.77,94.97 222.79,94.97 LED33.1 ; 222.77,94.97 230.21,94.97 232.66,92.52 241.71,92.52 ; 217.48,42.32 217.54,42.32 LED51.1 ; 217.48,42.32 229.99,42.32 232.41,39.9 236.48,39.9 ; 236.48,39.9 236.51,39.9 LED52.1 ; 243.31,94.04 241.79,92.52 241.71,92.52 ; 203.68,54.47 203.74,54.47 LED44.1 ; 217.48,80.34 217.52,80.34 LED39.1 ; 217.48,80.34 229.73,80.34 232.16,77.91 236.48,77.91 ; LED40.1 236.5,77.91 236.48,77.91 ; 250.6,11.07 262.48,11.07 263.12,11.71 277.38,11.71 LED60.1 ; 250.6,11.07 LED59.1 ; 179.48,75.67 179.49,75.67 LED37.1 ; 179.48,75.67 v1(173.89,75.67) ; v1(173.89,90.34) 174.06,90.52 187.88,90.52 ; 260.88,49.87 279.89,49.87 281.31,51.29 ; 260.88,49.87 260.89,49.87 262.31,51.29 ; 187.88,90.52 187.59,90.52 LED31.1 ; 262.31,89.29 261.01,87.99 261,87.99 ; LED32.1 203.59,92.32 ; 261,87.99 280,87.99 280.08,88.07 280.09,88.07 281.31,89.29 ; 261,87.99 252.19,87.99 247.66,92.52 241.71,92.52
LED_Pow_5V_L: length 686.4
  Top w0.5: v1(124.29,11.07) 117.79,11.07 v1(112.89,15.97) 110.94,17.91 v1(110.94,33.07) v1(110.94,56.67) v1(110.94,94.51) 110.94,94.62 113.59,97.27 C4.2 114.63,99.71 U5.6
  Bottom w0.25: LED26.1 35.51,14.09 36.09,14.67 ; LED7.1 11.56,69.59 12.59,68.57 31.69,68.57 ; LED18.1 101.14,55.45 102.04,56.34 ; 69.69,75.67 68.56,76.79 68.56,77.24 ; 69.69,75.67 57.69,75.67 55.29,73.27 39.79,73.27 35.09,68.57 31.69,68.57 ; 69.69,75.67 74.55,75.67 76.85,73.37 88.89,73.37 ; 102.29,94.42 95.39,94.42 93.2,96.62 83.11,96.62 ; 102.29,94.42 110.86,94.42 v1(110.94,94.51) ; 102.29,94.42 102.25,94.42 101.16,93.34 LED6.1 ; LED5.1 82.16,95.67 83.11,96.62 ; 50.69,35.27 40.49,35.27 35.89,30.67 31.49,30.67 ; 50.69,35.27 56.09,35.27 58.59,37.77 73.49,37.77 75.99,35.27 88.79,35.27 ; 50.69,35.27 49.61,36.34 LED21.1 ; v1(110.94,33.07) 94.29,33.07 92.09,35.27 88.79,35.27 ; 31.69,68.57 30.61,69.64 LED8.1 ; 45.09,58.64 55.36,58.64 57.76,61.04 74.01,61.04 76.41,58.64 92.01,58.64 94.31,56.34 102.04,56.34 ; 45.09,58.64 44.14,57.7 LED15.1 ; 45.09,58.64 40.66,58.64 35.86,53.84 7.08,53.84 6.14,52.9 LED13.1 ; 31.49,30.67 12.69,30.67 11.61,31.74 LED19.1 ; 31.49,30.67 30.56,31.59 LED20.1 ; v1(110.94,71.47) 110.54,71.07 107.59,71.07 ; 83.11,96.62 76.5,96.62 74.1,99.02 57.82,99.02 55.31,96.5 45.02,96.5 ; 64.09,61.04 64.06,61.04 63.14,60.12 LED16.1 ; 102.04,56.34 110.62,56.34 v1(110.94,56.67) ; LED12.1 106.59,72.06 107.59,71.07 ; 107.59,71.07 96.15,71.07 93.85,73.37 88.89,73.37 ; 88.89,73.37 88.66,73.37 87.64,74.38 LED11.1 ; 88.79,35.27 87.61,36.44 LED23.1 ; LED29.1 94.77,16.2 95.64,17.07 96.59,17.07 ; 36.09,14.67 27.49,14.67 26.06,16.09 10.07,16.09 LED25.1 ; 36.09,14.67 36.58,15.16 38.08,15.16 38.39,15.47 38.74,15.47 39.04,15.77 48.19,15.77 51.56,19.14 58.36,19.14 58.64,19.43 91.48,19.43 92.66,18.24 95.41,18.24 97.03,16.63 99.33,16.63 99.99,15.97 v1(112.89,15.97) ; 45.02,96.5 40.92,96.5 36.16,91.74 25.96,91.74 ; 45.02,96.5 44.11,95.59 LED3.1 ; 50.69,73.27 49.56,74.39 49.56,74.77 ; LED1.1 6.11,90.89 6.96,91.74 25.96,91.74 ; LED27.1 55.05,18.03 56.16,19.14 56.19,19.14 ; 107.59,33.07 106.56,34.09 LED24.1 ; 83.19,58.64 82.14,57.6 LED17.1 ; LED2.1 25.11,90.89 25.96,91.74 ; LED4.1 63.11,98.02 64.11,99.02 64.19,99.02 ; LED28.1 74.99,18.53 75.89,19.43 ; 69.69,37.77 68.56,38.89 68.56,39.29 ; v1(124.29,11.07) 124.3,11.07 LED30.1
